# Allegro board SG2042_EVB_V1_1.brd (continued)
## Routing (per net, layer and track width the routed paths; a pad name or vN(x,y) marks a point on that pad's centre or on a via; arc(x,y) is an arc through that point) (continued)
DDR1_DQ53: length 84.9
  TOP w0.16: U1.T52 v1(161.97,118.15)
  ART10 w0.089: v1(161.97,118.15) 162.38,118.55 164.5,118.55 164.96,119.01 167.09,119.01 167.98,119.9
  ART10 w0.168: J2.262 198.44,64.92 arc(198.11,64.86) 197.84,64.68 197.64,64.47 arc(197.37,64.29) 197.05,64.23 196.55,64.23 arc(196.3,64.28) 196.08,64.42 195.67,64.83 arc(195.4,65.01) 195.08,65.08 194.68,65.08 190.63,69.13 189.91,69.13 187.13,71.9 187.13,72.9 187.3,73.07 188.2,73.07 188.37,73.24 188.37,73.66 188.2,73.82 187.3,73.82 187.13,73.99 187.13,74.96 180.26,81.84 180.26,96.85 179.84,97.26 179.84,113.05 173,119.9 167.98,119.9
DDR1_DQ54: length 87.4
  TOP w0.16: U1.W51 v1(160.97,115.15)
  ART10 w0.089: v1(160.97,115.15) 161.35,114.77 164.86,114.77 165.36,115.27 166.06,115.27 166.6,115.82
  ART10 w0.168: J2.124 196.53,59.85 arc(196.39,59.94) 196.22,59.98 194.68,59.98 194.54,60.11 193.15,60.11 182.01,71.26 181.77,71.26 181.32,70.81 181.08,70.81 180.79,71.11 180.79,71.34 181.24,71.79 181.24,72.03 180.94,72.32 180.7,72.32 180.25,71.88 180.02,71.88 179.72,72.17 179.72,72.41 180.17,72.86 180.17,73.09 179.87,73.39 179.64,73.39 179.19,72.94 178.95,72.94 178.65,73.24 178.65,73.48 179.1,73.93 179.1,74.16 178.8,74.46 178.57,74.46 178.12,74.01 177.88,74.01 177.59,74.31 177.59,74.54 178.03,74.99 178.03,75.23 177.74,75.53 177.5,75.53 177.05,75.08 176.81,75.08 176.52,75.37 176.52,75.61 176.97,76.06 176.97,76.3 176.18,77.09 176.18,95.16 175.77,95.57 175.77,110.95 170.9,115.82 166.6,115.82
DDR1_DQ55: length 89.8
  TOP w0.16: U1.W49 v1(158.97,115.15)
  ART10 w0.089: 166.8,115.23 166.37,115.23 166.16,115.02 165.47,115.02 164.97,114.52 159.6,114.52 v1(158.97,115.15)
  ART10 w0.168: 166.8,115.23 170.66,115.23 175.18,110.71 175.18,95.33 175.59,94.91 175.59,75.47 181.36,69.7 181.6,69.7 182.04,70.14 182.28,70.14 182.58,69.85 182.58,69.61 182.13,69.16 182.13,68.93 182.43,68.63 182.67,68.63 183.11,69.08 183.35,69.08 183.65,68.78 183.65,68.54 183.2,68.1 183.2,67.86 183.5,67.56 183.74,67.56 184.18,68.01 184.42,68.01 184.71,67.71 184.71,67.47 184.27,67.03 184.27,66.79 184.57,66.5 184.8,66.5 185.25,66.94 185.48,66.94 192.9,59.53 194.54,59.53 194.68,59.67 195.05,59.67 arc(195.38,59.6) 195.65,59.42 195.85,59.22 arc(196.12,59.04) 196.44,58.97 J2.269
DDR1_DQ56: length 94.2
  TOP w0.16: U1.AB52 v1(161.97,112.15)
  ART10 w0.089: v1(161.97,112.15) 166.45,112.15 167.3,111.29
  ART10 w0.168: 167.3,111.29 169.02,111.29 171.24,109.08 171.24,93.69 171.65,93.28 171.65,67.79 172,67.45 172,67.21 171.65,66.86 171.65,66.62 171.95,66.33 172.19,66.33 172.53,66.67 172.77,66.67 173.07,66.38 173.07,66.14 172.44,65.51 172.44,65.28 172.73,64.98 172.97,64.98 173.6,65.61 173.84,65.61 174.13,65.31 174.13,65.07 173.51,64.45 173.51,64.21 173.8,63.91 174.04,63.91 174.67,64.54 174.91,64.54 175.2,64.24 175.2,64.01 174.57,63.38 174.57,63.14 174.87,62.84 175.11,62.84 175.74,63.47 175.97,63.47 176.27,63.18 176.27,62.94 175.64,62.31 175.64,62.07 175.94,61.78 176.17,61.78 176.8,62.41 177.04,62.41 177.34,62.11 177.34,61.87 176.71,61.24 176.71,61.01 182.86,54.85 193.87,54.85 194.16,54.57 196.19,54.57 arc(196.39,54.61) 196.56,54.72 J2.130
DDR1_DQ57: length 94.9
  TOP w0.16: U1.AA49 v1(158.97,113.15)
  ART10 w0.089: v1(158.97,113.15) 159.6,112.52 162.23,112.52 162.29,112.46 166.58,112.46 167.15,111.88 167.49,111.88
  ART10 w0.168: 167.49,111.88 169.27,111.88 171.83,109.32 171.83,93.94 172.24,93.53 172.24,68.05 175.73,64.55 175.97,64.55 176.84,65.42 177.08,65.42 177.37,65.12 177.37,64.88 176.5,64.02 176.5,63.78 176.8,63.48 177.04,63.48 177.49,63.93 177.72,63.93 178.02,63.63 178.02,63.4 177.57,62.95 177.57,62.71 178.03,62.25 178.03,60.51 183.1,55.44 194.11,55.44 194.68,54.88 195.12,54.88 arc(195.44,54.94) 195.71,55.12 195.92,55.33 arc(196.19,55.51) 196.51,55.58 197.11,55.58 arc(197.43,55.51) 197.7,55.33 198.48,54.55 arc(198.69,54.24) J2.275
DDR1_DQ58: length 94.7
  TOP w0.16: U1.AE52 v1(161.97,109.15)
  ART10 w0.089: 167.08,107.47 166.81,107.74 162.79,107.74 162.57,107.96 162.57,108.48 161.97,109.07 v1(161.97,109.15)
  ART10 w0.168: 167.08,107.47 167.16,107.39 167.16,92 167.57,91.59 167.57,77.73 166.31,76.48 166.31,75.83 166.15,75.67 165.34,75.67 165.18,75.5 165.18,75.08 165.34,74.91 166.15,74.91 166.31,74.74 166.31,74.33 166.15,74.16 165.34,74.16 165.18,73.99 165.18,73.57 165.34,73.4 166.15,73.4 166.31,73.24 166.31,72.82 166.15,72.65 165.34,72.65 165.18,72.48 165.18,72.06 165.34,71.89 166.15,71.89 166.31,71.73 166.31,71.31 166.15,71.14 165.34,71.14 165.18,70.97 165.18,70.55 165.34,70.39 166.15,70.39 166.31,70.22 166.31,69.8 166.15,69.63 165.34,69.63 165.18,69.46 165.18,69.05 165.34,68.88 166.15,68.88 166.31,68.71 166.31,65.63 183.46,48.49 194.68,48.49 J2.137
DDR1_DQ59: length 96.4
  TOP w0.16: U1.AE50 v1(159.97,109.15)
  ART10 w0.089: v1(159.97,109.15) 160.57,108.55 162.22,108.55 162.38,108.4 162.38,107.88 162.71,107.55 166.47,107.55 166.57,107.45 166.57,107.14
  ART10 w0.168: 166.57,107.14 166.57,91.75 166.37,91.54 166.37,90.75 166.98,90.13 166.98,78.14 164.59,75.74 164.59,68.2 164.76,68.03 165.49,68.03 165.66,67.87 165.66,67.45 165.49,67.28 164.76,67.28 164.59,67.11 164.59,66.53 183.21,47.9 194.99,47.9 arc(195.31,47.97) 195.58,48.15 195.99,48.56 arc(196.26,48.74) 196.58,48.8 196.94,48.8 arc(197.26,48.74) 197.54,48.56 197.93,48.17 arc(198.2,47.99) 198.52,47.92 J2.282
DDR1_DQ60: length 93.9
  TOP w0.16: U1.AA51 v1(160.97,113.15)
  ART10 w0.089: 167.34,112.47 167.01,112.47 166.71,112.77 161.35,112.77 v1(160.97,113.15)
  ART10 w0.168: 167.34,112.47 169.51,112.47 172.41,109.57 172.41,94.18 172.82,93.77 172.82,69.67 173.12,69.37 173.36,69.37 173.56,69.56 173.79,69.56 174.09,69.27 174.09,69.03 173.21,68.15 173.21,67.91 173.51,67.62 173.74,67.62 174.62,68.5 174.86,68.5 175.16,68.2 175.16,67.96 174.28,67.08 174.28,66.85 174.57,66.55 174.81,66.55 175.69,67.43 175.93,67.43 176.22,67.13 176.22,66.9 175.34,66.02 175.34,65.78 175.64,65.48 175.88,65.48 176.76,66.36 176.99,66.36 178.62,64.74 178.62,60.75 183.25,56.13 194.54,56.13 194.68,56.27 196.19,56.27 arc(196.39,56.31) J2.128
DDR1_DQ61: length 92.5
  TOP w0.16: U1.AA52 v1(161.97,113.15)
  ART10 w0.089: 167.21,113.05 166.87,113.05 166.83,113.08 164.64,113.08 164.2,113.52 162.82,113.52 162.44,113.15 v1(161.97,113.15)
  ART10 w0.168: 167.21,113.05 169.75,113.05 173,109.81 173,94.42 173.41,94.01 173.41,71.78 173.85,71.34 173.85,71.1 173.56,70.82 173.56,70.58 173.86,70.28 174.1,70.28 174.38,70.57 174.62,70.57 174.92,70.27 174.92,70.03 174.63,69.75 174.63,69.51 174.93,69.22 175.17,69.22 175.45,69.5 175.69,69.5 175.98,69.2 175.98,68.97 175.7,68.68 175.7,68.45 176,68.15 176.23,68.15 176.52,68.43 176.75,68.43 177.05,68.14 177.05,67.9 176.77,67.62 176.77,67.38 177.06,67.08 177.3,67.08 177.58,67.37 177.82,67.37 178.12,67.07 178.12,66.83 177.86,66.57 177.86,66.34 178.16,66.04 178.39,66.04 178.65,66.3 178.89,66.3 179.21,65.98 179.21,61 183.49,56.71 194.54,56.71 194.68,56.58 195.07,56.58 arc(195.39,56.64) 195.66,56.82 195.71,56.87 arc(195.98,57.05) 196.3,57.11 197.27,57.11 arc(197.59,57.05) 197.86,56.87 198.48,56.25 arc(198.69,55.94) J2.273
DDR1_DQ62: length 95.2
  TOP w0.16: U1.AD51 v1(160.97,110.15)
  ART10 w0.089: v1(160.97,110.15) 161.4,109.72 163.27,109.72 164.25,108.74 166.91,108.74 167.35,108.3 167.91,108.3
  ART10 w0.168: 167.91,108.3 168.33,107.87 168.33,92.49 168.75,92.08 168.75,76.31 168.58,76.14 167.66,76.14 167.49,75.97 167.49,75.55 167.66,75.39 168.58,75.39 168.75,75.22 168.75,74.8 168.58,74.63 167.66,74.63 167.49,74.46 167.49,74.04 167.66,73.88 168.58,73.88 168.75,73.71 168.75,73.29 168.58,73.12 167.66,73.12 167.49,72.95 167.49,72.54 167.66,72.37 168.58,72.37 168.75,72.2 168.75,71.78 168.58,71.61 167.66,71.61 167.49,71.45 167.49,71.03 167.66,70.86 168.58,70.86 168.75,70.69 168.75,70.27 168.58,70.1 167.66,70.1 167.49,69.94 167.49,69.52 167.66,69.35 168.58,69.35 168.75,69.18 168.75,64.86 183.39,50.22 194.71,50.22 J2.135
DDR1_DQ63: length 98
  TOP w0.16: U1.AD49 v1(158.97,110.15)
  ART10 w0.089: 167.5,107.88 166.83,108.55 164.17,108.55 163.19,109.52 159.59,109.52 v1(158.97,110.15)
  ART10 w0.168: J2.280 198.43,49.62 arc(198.11,49.69) 197.84,49.87 197.48,50.23 arc(197.21,50.41) 196.89,50.47 196.53,50.47 arc(196.21,50.41) 195.94,50.23 195.56,49.84 arc(195.31,49.68) 195.03,49.62 194.68,49.62 194.41,49.35 183.42,49.35 168.15,64.63 168.15,65.39 167.98,65.56 167.43,65.56 167.26,65.72 167.26,66.14 167.43,66.31 167.98,66.31 168.15,66.48 168.15,66.9 167.98,67.06 167.07,67.06 166.9,67.23 166.9,67.65 167.07,67.82 167.98,67.82 168.15,67.99 168.15,68.41 167.98,68.57 167.07,68.57 166.9,68.74 166.9,76.23 168.16,77.49 168.16,91.84 167.75,92.25 167.75,107.63 167.5,107.88
DDR1_DQS0_N: length 64.5
  TOP w0.109: U1.D46 155.28,130.84 155.1,130.84 154.87,131.07 154.87,135.06 154.84,135.09 154.84,135.15
  TOP w0.14: 154.84,135.15 154.84,138 159.9,143.06 165.05,143.06 184.46,162.47 188.07,162.47 189.29,163.69 194.98,163.69 arc(195.37,163.61) 195.71,163.38 196.05,163.04 arc(196.28,162.89) 196.55,162.84 196.88,162.84 arc(197.15,162.89) 197.37,163.04 197.72,163.38 arc(198.05,163.61) 198.45,163.69 199.37,163.69 arc(199.44,163.68) 199.5,163.68 J2.152
DDR1_DQS0_P: length 64.4
  TOP w0.109: 155.17,135.15 155.17,135.01 155.08,134.92 155.08,134.4 155.15,134.33 155.22,134.26 155.22,134.03 155.15,133.96 155.08,133.89 155.08,133.4 155.15,133.33 155.22,133.26 155.22,133.03 155.15,132.96 155.08,132.89 155.08,132.4 155.15,132.33 155.22,132.26 155.22,132.03 155.15,131.96 155.08,131.89 155.08,131.16 155.19,131.05 155.36,131.05 155.47,131.16 U1.C46
  TOP w0.14: J2.153 199.33,162.97 arc(199.42,163.08) 199.4,163.22 199.4,163.22 arc(199.3,163.32) 199.17,163.36 198.45,163.36 arc(198.18,163.3) 197.95,163.15 197.61,162.81 arc(197.27,162.58) 196.88,162.51 196.55,162.51 arc(196.15,162.58) 195.82,162.81 195.47,163.15 arc(195.25,163.3) 194.98,163.36 189.43,163.36 188.21,162.14 184.6,162.14 165.19,142.73 160.03,142.73 155.17,137.86 155.17,135.15
DDR1_DQS1_N: length 54.6
  TOP w0.109: 161.14,135.73 161.12,135.71 161.04,135.71 160.9,135.58 160.9,135.49 160.9,135.4 160.74,135.23 160.56,135.23 160.48,135.15 160.48,134.52 160.08,134.12 160.08,133.4 160.15,133.33 160.22,133.26 160.22,133.03 160.15,132.96 160.08,132.89 160.08,132.4 160.15,132.33 160.22,132.26 160.22,132.03 160.15,131.96 160.08,131.89 160.08,131.2 160.19,131.09 160.36,131.09 160.47,131.21 U1.C51
  TOP w0.14: J2.163 199.47,153.79 arc(199.62,153.78) 199.73,153.87 199.75,153.92 arc(199.78,154.08) 199.71,154.22 199.27,154.65 arc(199.05,154.8) 198.78,154.86 198.45,154.86 arc(198.18,154.8) 197.95,154.65 197.61,154.31 arc(197.27,154.08) 196.88,154.01 196.55,154.01 arc(196.28,153.95) 196.05,153.8 195.71,153.46 arc(195.37,153.23) 194.98,153.16 194.11,153.16 192.3,151.34 192.3,150.87 178.54,137.11 162.52,137.11 161.14,135.73
DDR1_DQS1_P: length 54.7
  TOP w0.109: 160.91,135.97 160.89,135.95 160.89,135.86 160.27,135.24 160.27,134.61 159.87,134.21 159.87,131.12 160.1,130.88 160.24,130.88 U1.D51
  TOP w0.14: 160.91,135.97 162.38,137.44 178.4,137.44 191.97,151.01 191.97,151.48 193.97,153.49 194.98,153.49 arc(195.25,153.54) 195.47,153.69 195.82,154.03 arc(196.15,154.26) 196.55,154.34 196.88,154.34 arc(197.15,154.39) 197.37,154.54 197.72,154.89 arc(198.05,155.11) 198.45,155.19 198.78,155.19 arc(199.17,155.11) 199.51,154.89 199.94,154.46 arc(200.04,154.32) 200.11,154.16 J2.164
DDR1_DQS2_N: length 60.4
  TOP w0.14: U1.E45 v1(153.97,130.15)
  ART10 w0.109: 153.82,135.15 153.82,135.12 153.85,135.09 153.85,134.44 154.37,133.92 154.37,129.89 154.25,129.78 154.08,129.78 153.97,129.89 v1(153.97,130.15)
  ART10 w0.145: J2.174 199.47,144.95 arc(199.42,144.95) 199.37,144.95 198.44,144.95 arc(198.06,144.88) 197.74,144.66 197.4,144.32 arc(197.16,144.16) 196.88,144.1 196.54,144.1 arc(196.27,144.16) 196.03,144.32 195.68,144.66 arc(195.36,144.88) 194.98,144.95 182.73,144.95 180.27,142.5 176.78,142.5 175.5,143.77 160.41,143.77 153.82,137.18 153.82,135.15
DDR1_DQS2_P: length 60.4
  TOP w0.14: U1.F45 v1(153.97,129.15)
  ART10 w0.109: 154.08,135.15 154.08,135.12 154.06,135.09 154.06,134.53 154.58,134.01 154.58,129.8 154.34,129.57 154.02,129.57 153.91,129.46 153.91,129.21 v1(153.97,129.15)
  ART10 w0.145: J2.175 199.3,144.26 arc(199.4,144.38) 199.38,144.53 199.38,144.54 arc(199.27,144.65) 199.12,144.69 198.44,144.69 arc(198.17,144.63) 197.93,144.48 197.58,144.13 arc(197.26,143.91) 196.88,143.84 196.54,143.84 arc(196.16,143.91) 195.84,144.13 195.5,144.48 arc(195.26,144.63) 194.98,144.69 182.83,144.69 180.38,142.23 176.67,142.23 175.4,143.51 160.52,143.51 154.08,137.07 154.08,135.15
DDR1_DQS3_N: length 47.2
  TOP w0.14: U1.F50 v1(159.97,129.15)
  ART10 w0.109: 161.66,134.13 161.64,134.11 161.6,134.11 160.58,133.09 160.58,129.84 160.33,129.59 160.09,129.59 159.97,129.48 v1(159.97,129.15)
  ART10 w0.145: J2.185 199.37,135.15 arc(199.57,135.13) 199.73,135.26 199.75,135.3 arc(199.78,135.44) 199.72,135.56 199.3,135.98 arc(199.06,136.13) 198.78,136.19 198.44,136.19 arc(198.17,136.13) 197.93,135.98 197.58,135.63 arc(197.26,135.41) 196.88,135.34 196.54,135.34 arc(196.27,135.28) 196.03,135.13 196.03,135.13 195.69,134.78 arc(195.37,134.57) 194.99,134.49 193.96,134.49 193.68,134.78 162.31,134.78 161.66,134.13
DDR1_DQS3_P: length 47.2
  TOP w0.14: U1.E50 v1(159.97,130.15)
  ART10 w0.109: 161.47,134.31 161.45,134.29 161.45,134.26 160.37,133.17 160.37,129.93 160.24,129.8 160.09,129.8 159.97,129.92 v1(159.97,130.15)
  ART10 w0.145: J2.186 200.08,135.47 arc(200,135.62) 199.9,135.74 199.88,135.77 199.48,136.16 arc(199.16,136.38) 198.78,136.45 198.44,136.45 arc(198.06,136.38) 197.74,136.16 197.39,135.82 arc(197.16,135.66) 196.88,135.6 196.54,135.6 arc(196.16,135.53) 195.84,135.31 195.5,134.97 arc(195.26,134.81) 194.99,134.76 194.07,134.76 193.78,135.04 162.2,135.04 161.47,134.31
DDR1_DQS4_N: length 59.3
  TOP w0.109: 166.97,116.27 166.95,116.27 166.93,116.25 164.99,116.25 164.88,116.36 164.88,116.54 164.99,116.65 U1.V56
  TOP w0.14: J2.244 199.5,80.38 arc(199.44,80.38) 199.37,80.39 198.45,80.39 arc(198.05,80.31) 197.72,80.09 197.37,79.74 arc(197.15,79.59) 196.88,79.54 196.55,79.54 arc(196.28,79.59) 196.05,79.74 195.71,80.09 arc(195.37,80.31) 194.98,80.39 192.39,80.39 175.66,97.11 175.66,110.01 169.4,116.27 166.97,116.27
DDR1_DQS4_P: length 59.3
  TOP w0.109: U1.V55 164.67,116.45 164.67,116.28 164.9,116.04 166.84,116.04 166.95,115.94 166.97,115.94
  TOP w0.14: 166.97,115.94 169.27,115.94 175.33,109.87 175.33,96.98 192.25,80.06 194.98,80.06 arc(195.25,80) 195.47,79.85 195.82,79.51 arc(196.15,79.28) 196.55,79.21 196.88,79.21 arc(197.27,79.28) 197.61,79.51 197.95,79.85 arc(198.18,80) 198.45,80.06 199.2,80.06 arc(199.31,80.02) 199.39,79.94 199.39,79.94 arc(199.41,79.78) 199.31,79.66 J2.245
DDR1_DQS5_N: length 66.2
  TOP w0.109: 167.38,109.8 167.26,109.93 167.22,109.93 167.22,110.04 166.23,111.04 164.95,111.04 164.71,111.28 164.71,111.41 U1.AC55
  TOP w0.14: 167.38,109.8 169.52,107.66 169.52,88.48 188.14,69.86 194.98,69.86 arc(195.37,69.93) 195.71,70.16 196.05,70.5 arc(196.28,70.65) 196.55,70.71 196.88,70.71 arc(197.27,70.78) 197.61,71.01 197.95,71.35 arc(198.18,71.5) 198.45,71.56 198.78,71.56 arc(199.05,71.5) 199.27,71.35 199.7,70.92 arc(199.71,70.91) 199.72,70.9 199.73,70.89 arc(199.78,70.76) 199.75,70.61 199.73,70.58 arc(199.62,70.48) 199.47,70.5 J2.255
DDR1_DQS5_P: length 66.1
  TOP w0.109: 167.62,110.03 167.52,110.13 167.43,110.13 167.43,110.13 166.31,111.25 165.03,111.25 164.92,111.37 164.92,111.54 165.03,111.65 U1.AC56
  TOP w0.14: 167.62,110.03 169.85,107.8 169.85,88.61 188.28,70.19 194.98,70.19 arc(195.25,70.24) 195.47,70.39 195.82,70.74 arc(196.15,70.96) 196.55,71.04 196.88,71.04 arc(197.15,71.09) 197.37,71.24 197.72,71.59 arc(198.05,71.81) 198.45,71.89 198.78,71.89 arc(199.17,71.81) 199.51,71.59 199.94,71.16 arc(199.96,71.13) 199.98,71.1 199.99,71.1 arc(199.99,71.1) 199.99,71.1 arc(200.06,70.99) 200.11,70.86 J2.256
DDR1_DQS6_N: length 86.7
  TOP w0.14: U1.U50 v1(159.97,117.15)
  ART10 w0.109: 167.98,116.91 167.95,116.91 167.93,116.88 165.86,116.88 164.72,115.75 159.79,115.75 159.58,115.96 159.58,116.8 159.5,116.88 159.5,117.04 159.61,117.15 v1(159.97,117.15)
  ART10 w0.145: 167.98,116.91 171.35,116.91 176.86,111.41 176.86,96.02 177.27,95.61 177.27,77.54 193.15,61.65 194.98,61.65 arc(195.36,61.58) 195.68,61.36 196.03,61.02 arc(196.27,60.86) 196.54,60.8 196.88,60.8 arc(197.16,60.86) 197.4,61.02 197.74,61.36 arc(198.06,61.58) 198.44,61.65 199.37,61.65 arc(199.42,61.65) 199.47,61.65 J2.266
DDR1_DQS6_P: length 86.8
  TOP w0.14: U1.U49 v1(158.97,117.15)
  ART10 w0.109: v1(158.97,117.15) 158.97,117.11 159.37,116.71 159.37,115.87 159.7,115.54 164.81,115.54 165.94,116.67 167.93,116.67 167.95,116.65 167.98,116.65
  ART10 w0.145: J2.267 199.28,60.95 arc(199.39,61.08) 199.37,61.26 arc(199.28,61.35) 199.16,61.39 198.44,61.39 arc(198.17,61.33) 197.93,61.18 197.58,60.83 arc(197.26,60.61) 196.88,60.54 196.54,60.54 arc(196.16,60.61) 195.84,60.83 195.5,61.18 arc(195.26,61.33) 194.98,61.39 193.04,61.39 177,77.43 177,95.5 176.59,95.91 176.59,111.3 171.24,116.65 167.98,116.65
DDR1_DQS7_N: length 94.4
  TOP w0.14: U1.AB49 v1(158.97,112.15)
  ART10 w0.109: 167.98,109.21 167.95,109.21 167.93,109.24 166.92,109.24 166.12,110.04 165.23,110.04 164.73,110.54 159.64,110.54 159.37,110.81 159.37,111.69 158.97,112.09 v1(158.97,112.15)
  ART10 w0.145: 167.98,109.21 168.17,109.21 169.16,108.22 169.16,92.83 169.57,92.42 169.57,65.2 183.58,51.19 194.98,51.19 arc(195.36,51.26) 195.68,51.48 196.03,51.83 arc(196.26,51.98) 196.54,52.04 196.88,52.04 arc(197.26,52.11) 197.58,52.33 197.93,52.68 arc(198.17,52.83) 198.44,52.89 198.78,52.89 arc(199.06,52.83) 199.3,52.68 199.71,52.27 arc(199.77,52.13) 199.75,51.99 199.74,51.97 arc(199.58,51.83) 199.37,51.85 J2.277
DDR1_DQS7_P: length 94.4
  TOP w0.14: U1.AB50 v1(159.97,112.15)
  ART10 w0.109: 167.98,109.47 167.95,109.47 167.93,109.45 167.01,109.45 166.21,110.25 165.31,110.25 164.81,110.75 159.73,110.75 159.58,110.9 159.58,111.79 159.49,111.88 159.49,112.04 159.6,112.15 v1(159.97,112.15)
  ART10 w0.145: J2.278 200.07,52.17 arc(200,52.32) 199.9,52.45 199.48,52.86 arc(199.16,53.08) 198.78,53.15 198.44,53.15 arc(198.06,53.08) 197.74,52.86 197.4,52.52 arc(197.16,52.36) 196.88,52.3 196.54,52.3 arc(196.16,52.23) 195.84,52.01 195.49,51.67 arc(195.26,51.51) 194.98,51.45 183.69,51.45 169.84,65.31 169.84,92.53 169.42,92.94 169.42,108.33 168.28,109.47 167.98,109.47
DDR1_ECC_DM_N: length 39.4
  TOP w0.109: 166.97,132.34 166.96,132.34 166.87,132.25 165.01,132.25 164.77,132.01 164.77,131.94 U1.C55
  TOP w0.14: J2.52 196.32,126.93 arc(196.24,127.12) 196.11,127.28 195.71,127.68 arc(195.37,127.91) 194.98,127.99 191.58,127.99 190.82,128.74 190.82,128.94 191.25,129.36 191.25,129.83 190.66,130.42 190.19,130.42 189.76,130 189.57,130 189.17,130.39 189.17,130.59 189.93,131.34 189.93,131.82 189.34,132.41 188.87,132.41 188.11,131.65 187.91,131.65 187.22,132.34 166.97,132.34
DDR1_ECC_DM_P: length 39.3
  TOP w0.109: U1.C56 165.09,131.65 164.98,131.76 164.98,131.92 165.1,132.04 166.91,132.04 166.95,132.01 166.97,132.01
  TOP w0.14: J2.51 195.67,126.59 arc(195.82,126.58) 195.94,126.67 arc(195.97,126.85) 195.91,127.01 arc(195.89,127.03) 195.88,127.05 195.78,127.15 195.47,127.45 arc(195.25,127.6) 194.98,127.66 191.44,127.66 190.49,128.6 190.49,129.07 190.92,129.5 190.92,129.7 190.52,130.09 190.33,130.09 189.9,129.67 189.43,129.67 188.84,130.26 188.84,130.73 189.6,131.48 189.6,131.68 189.2,132.08 189,132.08 188.25,131.32 187.78,131.32 187.09,132.01 166.97,132.01
DDR1_ECC_DQ0: length 39.5
  TOP w0.114: 184.86,133.32 184.35,133.83 182.68,133.83 181.94,133.1 166.75,133.1 166.7,133.05 165.33,133.05 164.93,132.65 U1.B55
  TOP w0.16: 184.86,133.32 186.51,133.32 186.67,133.48 186.67,134.21 186.83,134.37 187.23,134.37 187.39,134.21 187.39,133.48 187.55,133.32 187.95,133.32 188.11,133.48 188.11,134.21 188.27,134.37 188.67,134.37 188.83,134.21 188.83,133.48 188.99,133.32 189.39,133.32 189.55,133.48 189.55,134.21 189.71,134.37 190.11,134.37 190.27,134.21 190.27,133.48 190.43,133.32 191.13,133.32 191.29,133.16 191.29,131.04 193.47,128.86 194.51,128.86 arc(194.75,128.81) 194.96,128.67 194.96,128.67 J2.49
DDR1_ECC_DQ1: length 43.2
  TOP w0.089: U1.B53 162.87,133.04 164.92,133.04 165.13,133.25 166.45,133.25 166.67,133.48 181.78,133.48 182.52,134.21 184.69,134.21 184.86,134.04
  TOP w0.16: J2.194 198.42,127.82 arc(198.11,127.88) 197.85,128.06 197.47,128.44 arc(197.21,128.61) 196.91,128.67 196.52,128.67 arc(196.21,128.73) 195.95,128.91 195.73,129.13 arc(195.47,129.3) 195.17,129.36 193.98,129.36 192.01,131.33 192.01,133.49 190.38,135.11 186.52,135.11 185.46,134.04 184.86,134.04
DDR1_ECC_DQ2: length 40.8
  TOP w0.089: 183.39,128.67 183.19,128.67 183.02,128.84 182.09,128.84 181.43,129.5 166.28,129.5 166.14,129.65 U1.E56
  TOP w0.16: 183.39,128.67 183.54,128.67 184.77,127.44 184.77,127.21 184.26,126.71 184.26,126.48 184.55,126.2 184.77,126.2 185.28,126.71 185.51,126.71 185.79,126.42 185.79,126.2 185.28,125.69 185.28,125.46 185.57,125.18 185.79,125.18 186.3,125.69 186.53,125.69 186.81,125.4 186.81,125.18 186.3,124.67 186.3,124.44 186.58,124.16 186.81,124.16 187.32,124.67 187.55,124.67 187.83,124.38 187.83,124.16 187.32,123.65 187.32,123.42 187.6,123.14 187.83,123.14 188.34,123.65 188.56,123.65 189.13,123.08 194.48,123.08 194.68,122.88 196.18,122.88 arc(196.39,122.84) J2.56
DDR1_ECC_DQ3: length 43.8
  TOP w0.114: 183.39,127.95 182.87,128.47 181.94,128.47 181.28,129.13 162.99,129.13 U1.E53
  TOP w0.16: 183.39,127.95 183.39,126.34 187.36,122.36 188.41,122.36 188.57,122.2 188.57,121.93 188.73,121.77 189.13,121.77 189.29,121.93 189.29,122.2 189.45,122.36 189.85,122.36 190.01,122.2 190.01,121.93 190.17,121.77 190.57,121.77 190.73,121.93 190.73,122.2 190.89,122.36 191.29,122.36 191.45,122.2 191.45,121.93 191.61,121.77 192.01,121.77 192.17,121.93 192.17,122.2 192.33,122.36 192.73,122.36 192.89,122.2 192.89,121.93 193.05,121.77 193.45,121.77 193.61,121.93 193.61,122.2 193.77,122.36 194.48,122.36 194.68,122.56 195.17,122.56 arc(195.47,122.5) 195.73,122.33 195.95,122.11 arc(196.21,121.93) 196.52,121.87 J2.201
DDR1_ECC_DQ4: length 37.5
  TOP w0.114: U1.A55 165.14,134.32 166.57,134.32 166.69,134.2 181.48,134.2 182.22,134.94 184.32,134.94 184.86,135.48
  TOP w0.16: 184.86,135.48 185.93,136.55 190.98,136.55 191.31,136.22 191.53,136.22 191.77,136.46 191.99,136.46 192.27,136.17 192.27,135.95 192.04,135.71 192.04,135.49 192.33,135.2 192.55,135.2 192.78,135.44 193.01,135.44 193.29,135.15 193.29,134.93 193.06,134.7 193.06,134.47 193.45,134.08 193.45,131.98 194.9,130.53 arc(194.95,130.46) J2.47
DDR1_ECC_DQ5: length 42.8
  TOP w0.089: 184.86,134.76 184.67,134.57 182.37,134.57 181.63,133.83 166.62,133.83 166.37,134.09 165.28,134.09 164.97,133.78 164.97,133.5 164.72,133.25 163.87,133.25 U1.A54
  TOP w0.16: 184.86,134.76 185.16,134.76 186.23,135.83 190.68,135.83 192.73,133.79 192.73,131.63 194.68,129.68 195.11,129.68 arc(195.42,129.74) 195.68,129.92 195.9,130.14 arc(196.16,130.31) 196.46,130.37 196.91,130.37 arc(197.21,130.31) 197.47,130.14 197.85,129.76 arc(198.11,129.58) 198.42,129.52 J2.192
DDR1_ECC_DQ6: length 39.8
  TOP w0.114: U1.D56 166.3,130.65 166.73,130.23 181.73,130.23 182.39,129.57 182.84,129.57 183.39,130.11
  TOP w0.16: 183.39,130.11 186.3,130.11 186.83,129.58 186.83,129.36 186.42,128.95 186.42,128.72 186.7,128.44 186.93,128.44 187.34,128.85 187.56,128.85 187.85,128.57 187.85,128.34 187.43,127.93 187.43,127.7 187.72,127.42 187.94,127.42 188.35,127.83 188.58,127.83 188.86,127.55 188.86,127.32 188.45,126.91 188.45,126.68 188.74,126.4 188.96,126.4 189.37,126.81 189.6,126.81 189.88,126.53 189.88,126.3 189.47,125.89 189.47,125.67 189.76,125.38 189.98,125.38 190.39,125.79 190.62,125.79 191.63,124.78 194.48,124.78 194.68,124.58 196.18,124.58 arc(196.39,124.54) J2.54
DDR1_ECC_DQ7: length 41.9
  TOP w0.089: 183.39,129.39 183.19,129.2 182.24,129.2 181.58,129.86 166.52,129.86 166.24,130.15 164.97,130.15 U1.E55
  TOP w0.16: 183.39,129.39 184.73,129.39 184.96,129.16 184.96,128.93 184.74,128.72 184.74,128.49 185.03,128.21 185.25,128.21 185.47,128.42 185.69,128.42 185.98,128.14 185.98,127.92 185.76,127.7 185.76,127.47 186.04,127.19 186.27,127.19 186.49,127.41 186.71,127.41 187,127.12 187,126.9 186.78,126.68 186.78,126.45 187.06,126.17 187.29,126.17 187.51,126.39 187.73,126.39 188.01,126.1 188.01,125.88 187.8,125.66 187.8,125.44 188.08,125.15 188.31,125.15 188.52,125.37 188.75,125.37 189.03,125.09 189.03,124.86 188.82,124.64 188.82,124.42 189.1,124.13 189.33,124.13 189.54,124.35 189.77,124.35 190.06,124.06 194.48,124.06 194.68,124.26 195.17,124.26 arc(195.47,124.2) 195.73,124.03 195.95,123.81 arc(196.21,123.63) 196.52,123.57 J2.199
DDR1_ECC_DQS_N: length 40.9
  TOP w0.109: 166.97,131.31 166.95,131.31 166.89,131.25 162.99,131.25 162.75,131.02 162.75,130.93 U1.D53
  TOP w0.14: J2.196 199.5,126.28 arc(199.44,126.28) 199.37,126.29 198.45,126.29 arc(198.05,126.21) 197.72,125.99 197.37,125.64 arc(197.15,125.49) 196.88,125.44 196.55,125.44 arc(196.28,125.49) 196.05,125.64 195.71,125.99 arc(195.37,126.21) 194.98,126.29 191.82,126.29 186.8,131.31 166.97,131.31
DDR1_ECC_DQS_P: length 40.9
  TOP w0.109: 166.97,130.98 166.84,130.98 166.78,131.04 163.07,131.04 162.96,130.93 162.96,130.76 163.07,130.65 U1.D54
  TOP w0.14: J2.197 199.33,125.57 arc(199.42,125.68) 199.4,125.82 199.4,125.82 arc(199.3,125.92) 199.17,125.96 198.45,125.96 arc(198.18,125.9) 197.95,125.75 197.61,125.41 arc(197.27,125.18) 196.88,125.11 196.55,125.11 arc(196.15,125.18) 195.82,125.41 195.47,125.75 arc(195.25,125.9) 194.98,125.96 191.69,125.96 186.66,130.98 166.97,130.98
DDR1_EVENT_N: length 364.6
  TOP w0.102: R2387.2 v1(26.72,155.65) ; J2.78 197.33,99.69 208.55,99.69 208.76,99.9 211.28,99.9 R5.1 v1(211.58,100.81)
  ART10 w0.102: v1(209.83,214.25) 210.9,213.18 210.9,202.38 214.43,198.85 214.43,173.34 210.92,169.83 210.92,162.45 211.76,161.61 211.76,100.99 v1(211.58,100.81) ; v1(41.15,209.68) 41.15,209.14 40.77,208.76 40.77,186.79 27.1,173.12 27.1,156.03 v1(26.72,155.65)
  BOTTOM w0.102: v1(41.15,209.68) 41.2,209.63 52.36,209.63 53.91,211.18 206.76,211.18 v1(209.83,214.25)
DDR1_EVENT_N_L: length 8.3
  TOP w0.102: R598.2 v1(10.69,156.39) ; U2010.3 v1(16.75,155.22)
  ART03 w0.102: v1(16.75,155.22) 15.58,156.39 v1(10.69,156.39)
DDR1_MA0: length 59.2
  TOP w0.089: 180.46,110.97 180.46,111.17 170.74,120.89 165.99,120.89 165.73,121.15 164.97,121.15 U1.P55
  TOP w0.16: J2.79 193.51,99.52 193.51,100.93 193.35,101.09 192.95,101.09 192.79,100.93 192.79,99.52 192.63,99.36 192.23,99.36 192.07,99.52 192.07,100.93 191.91,101.09 191.51,101.09 191.35,100.93 191.35,99.52 191.19,99.36 190.79,99.36 190.63,99.52 190.63,100.93 190.47,101.09 190.07,101.09 189.91,100.93 189.91,99.52 189.75,99.36 189.35,99.36 189.19,99.52 189.19,100.93 189.03,101.09 188.63,101.09 188.47,100.93 188.47,99.52 188.31,99.36 187.91,99.36 187.75,99.52 187.75,100.93 187.59,101.09 187.19,101.09 187.03,100.93 187.03,99.52 186.87,99.36 186.13,99.36 180.81,104.69 180.81,110.63 180.46,110.97
DDR1_MA1: length 57.6
  TOP w0.089: U1.N56 165.78,121.65 166.18,121.25 170.89,121.25 180.72,111.42 180.92,111.42
  TOP w0.16: J2.72 196.55,109.11 194.04,109.11 193.88,108.95 193.88,106.61 193.72,106.45 193.32,106.45 193.16,106.61 193.16,108.95 193,109.11 192.6,109.11 192.44,108.95 192.44,106.61 192.28,106.45 191.88,106.45 191.72,106.61 191.72,108.95 191.56,109.11 191.16,109.11 191,108.95 191,106.61 190.84,106.45 190.44,106.45 190.28,106.61 190.28,108.95 190.12,109.11 189.72,109.11 189.56,108.95 189.56,106.61 189.4,106.45 189,106.45 188.84,106.61 188.84,108.95 188.68,109.11 188.28,109.11 188.12,108.95 188.12,108.34 187.96,108.18 187.56,108.18 187.4,108.34 187.4,108.95 187.24,109.11 186.59,109.11 185.95,109.75 182.58,109.75 180.92,111.42